# Altium PCB Hall Board.PcbDoc (part 2 of 4) (continued)
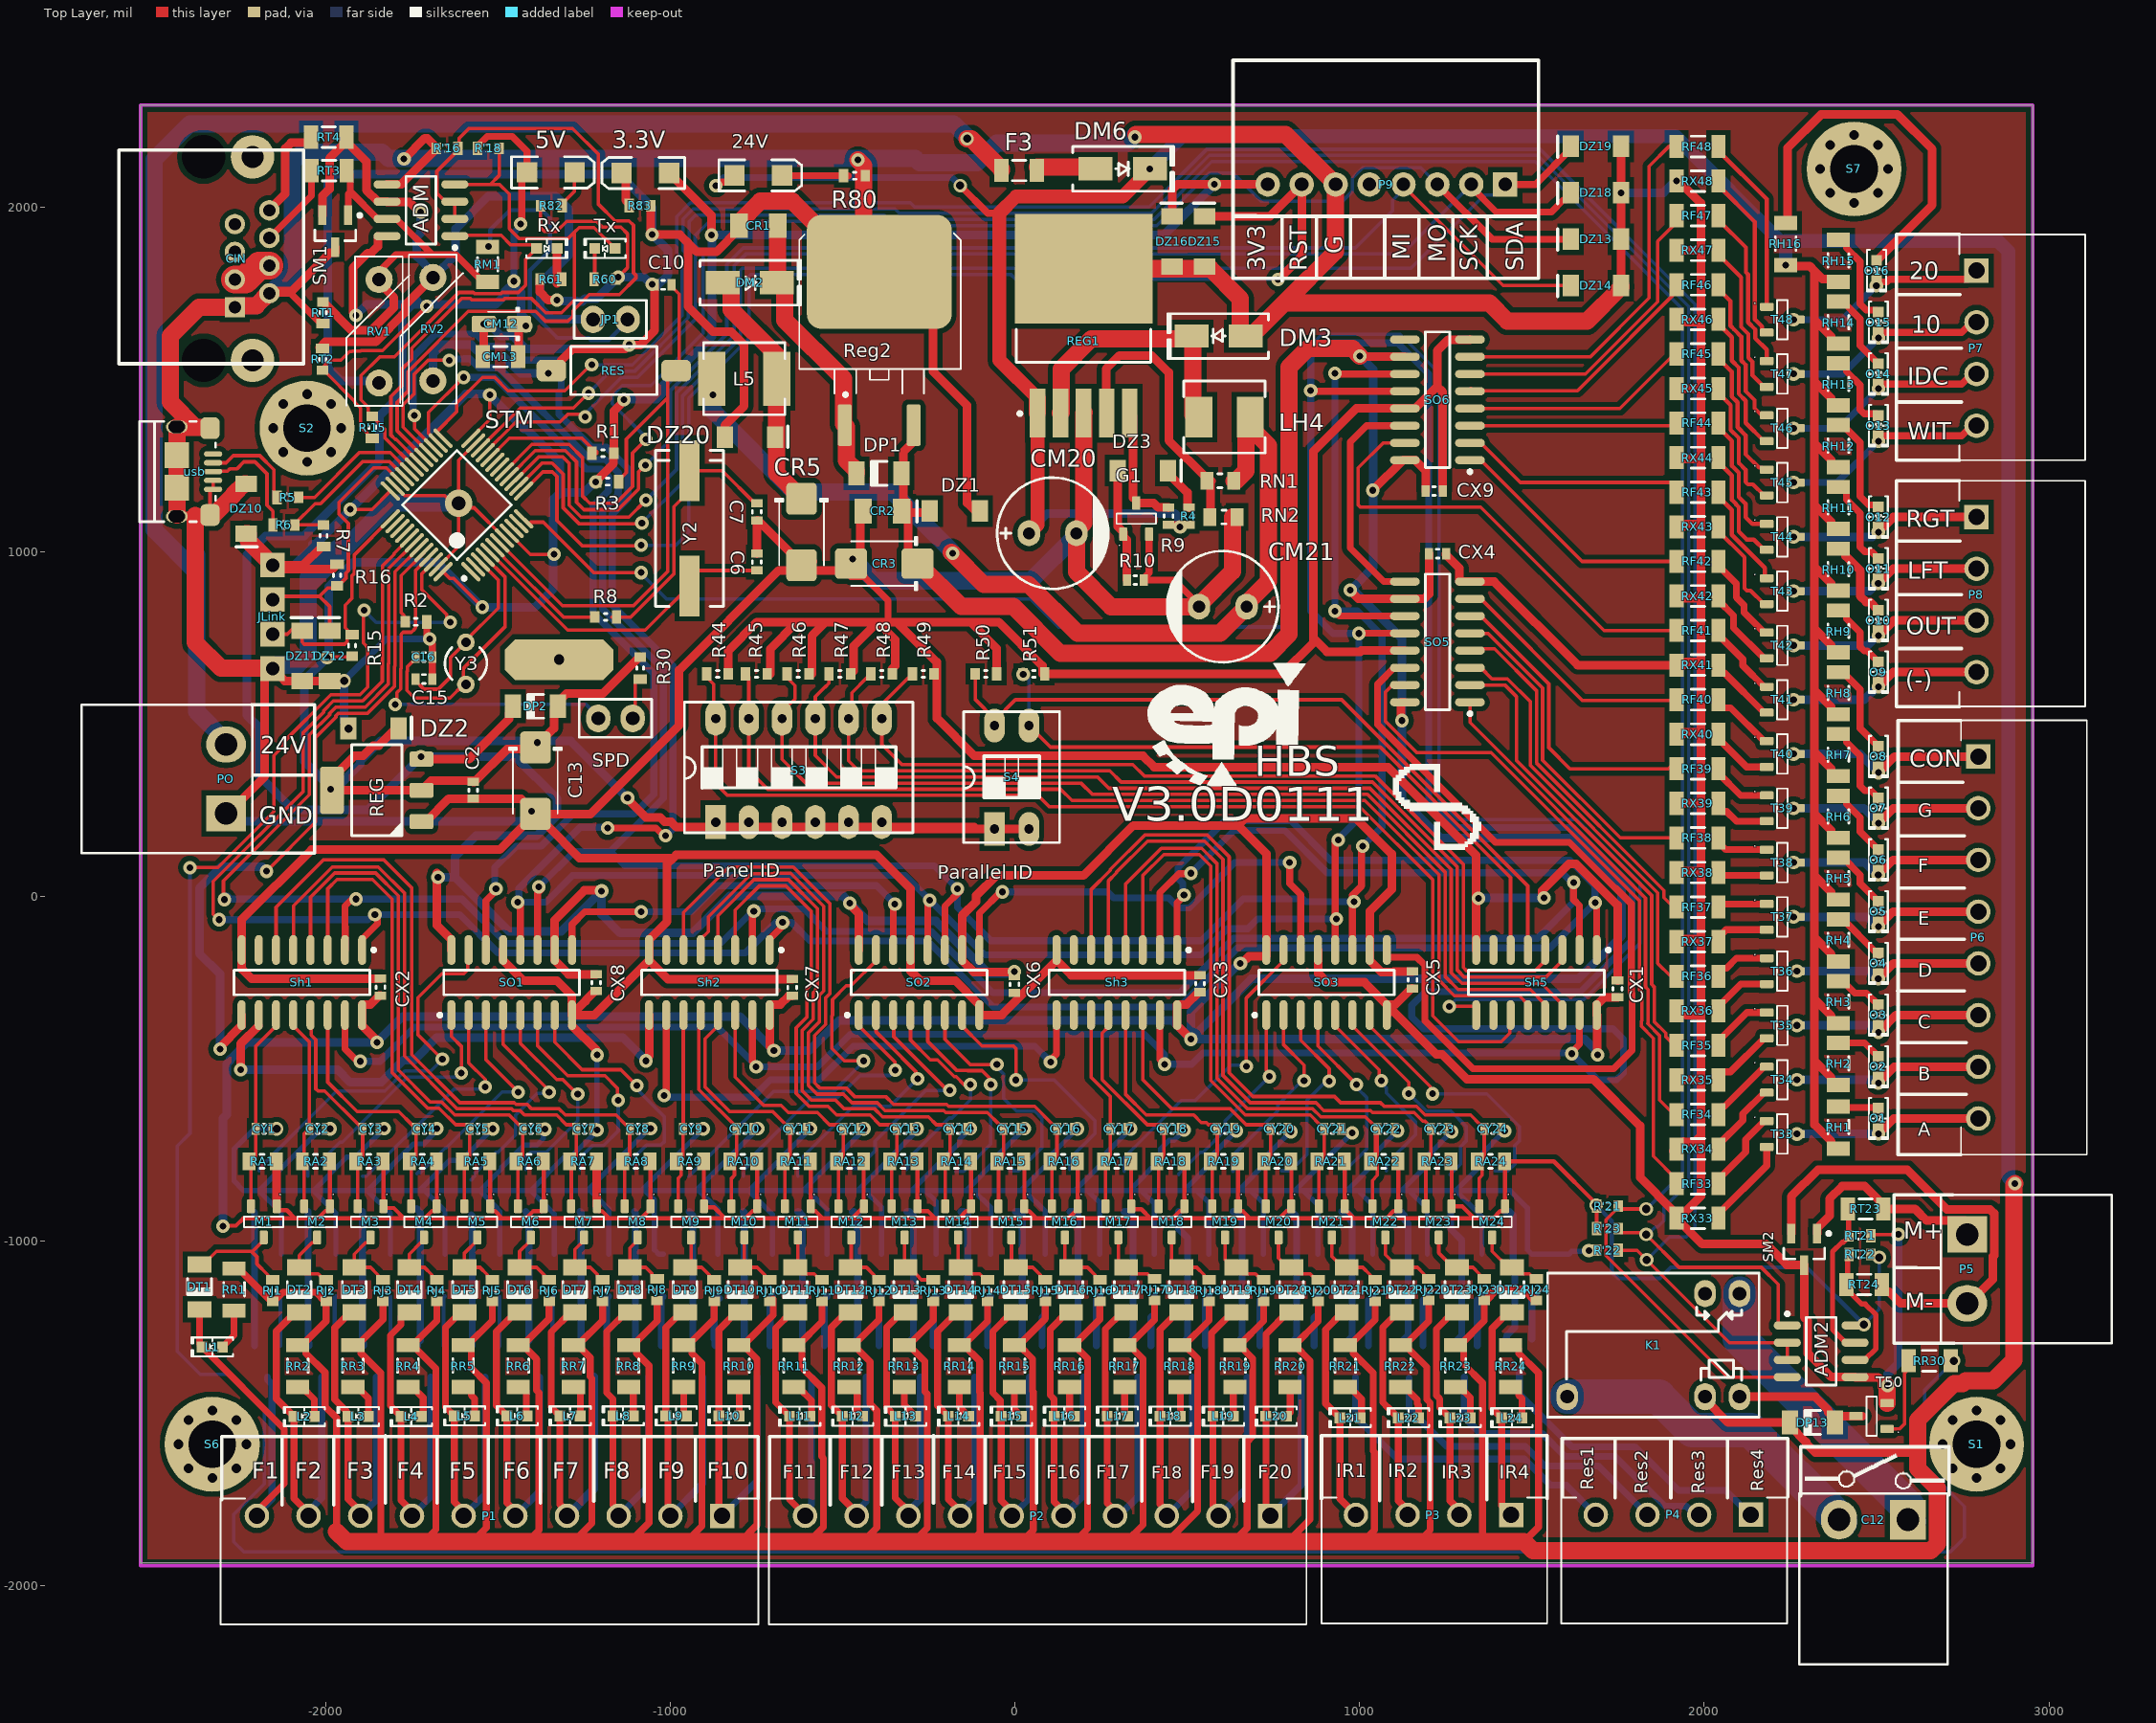
[diagram p0: Top Layer view]
## Nets (pads, with @x,y where several pads share a name; then routed paths per layer and width w, separated by ;. In a path a pad name is that pad's centre, name@x,y a point inside that pad or via, vN(x,y) a via of type N, cw(c..) or ccw(c..) an arc to the next point about the centre after c; other vN are vias at no path point) (continued)
ClockPin: Sh1.2 Sh2.2 Sh3.2 Sh5.2 STM.42 | length 7633.9
  Top Layer w10: v1@-2297.6,-7.1 -2297.6,44.61 -2048.08,294.13 -2048.08,467.52 -1989.32,526.28 -1989.32,530.76 -1971.31,548.77 -1886.37,548.77 -1818.85,616.29 -1818.85,674.28 -1817.7,675.42 -1817.7,951.22 STM.42@-1743.88,1025.04
  Top Layer w20: -1944.31,-88.51 -1944.31,-155.33 Sh1.2@-1945,-156.02 -1945,-28.9 v1@-1921.1,-5 ; Sh2.2@-762.5,-156.02 v1@-762.5,-38.81 ; Sh3.2@420,-156.02 420,10 475,65 v1@504.23,65 ; v1(1620.5,40.06) 1620.5,-9.62 1637.74,-26.87 Sh5.2@1637.74,-156.02
  Bottom Layer w20: v1@-2286.12,0 -2277.79,-8.34 v1(-1913.12,-8.34) -1605.6,-8.34 -1476.81,-137.13 -854.7,-137.13 -754.73,-37.16 -612.84,-37.16 -547.87,-102.13 -243.13,-102.13 -65,-280.26 477.45,-280.26 578.63,-179.08 578.63,-177.41 633.91,-122.13 1515.81,-122.13 1620.5,-17.43 v1(1620.5,40.06) v1@1615.86,40.06 ; v1(510.34,66.66) 634.8,191.13 781.91,191.13 905.16,67.87 1587.45,67.87 1615.26,40.06 v1@1615.86,40.06 ; v1@1618.18,37.74 v1@1615.86,40.06
  other v1: -758.41,-43.34 -2294.93,-9.77
Control: RR30.2 STM.46 | length 9382.7
  Top Layer w10: v1(-2395,82.95) -2313.95,82.95 -2151.31,245.6 -2151.31,408.53 -2122.84,437 -2122.84,447.8 -1986.11,584.52 -1901.17,584.52 -1879.12,606.57 -1879.12,721.41 -1891.88,734.17 -1891.88,826.41 v1(-1889.12,829.17) ; STM.46@-1688.21,969.85 STM.46@-1688.21,969.36 -1688.21,968.87 -1722.58,934.5 -1722.58,889.58 -1650,817 v1@-1650,786 ; RR30.2@2715.05,-1348 v2(2723.83,-1348)
  Bottom Layer w10: v1(-2395,82.95) -2395,-688 -2432,-725 -2432,-1321 -2365.34,-1387.66 -2279.66,-1387.66 -2179.33,-1487.98 -2179.33,-1705.33 -2267.49,-1793.49 -2267.49,-1873.51 -2239,-1902 2713.73,-1902 2737.16,-1878.57 2737.28,-1878.57 2755,-1860.85 2755,-1770.2 2639.33,-1654.53 2639.33,-1432.5 v2(2723.83,-1348) ; v1@-1883.5,834.79 v1(-1889.12,829.17) -1854.47,794.51 v1(-1639.51,794.51)
CS485_Comm: ADM.2 ADM.3 R'16.2 STM.29 | length 2274.1
  Top Layer w10: STM.29@-1716.04,1272.8 -1793.71,1350.47 -1793.71,1433.36 -1761.67,1465.4 -1761.67,1522.21 -1587.39,1696.5 -1391.39,1696.5 -1363.2,1668.3 -1298.54,1668.3 -1283.6,1683.25 -1283.6,1698.19 -1236.3,1745.49 -1148.57,1745.49 -1100.7,1793.36 -1100.7,1801.64 -1107.64,1808.58 -1107.64,1946.46 -1120.44,1959.26 -1161.5,1959.26 -1209.2,2006.97 -1209.2,2152.08 -1284.61,2227.48 -1585.4,2227.48 -1614.06,2198.83 -1614.06,2172.95 R'16.2@-1617.01,2170 -1617.01,2164.09 -1678.28,2102.82 -1678.28,2039.68 -1653.6,2015 ADM.3@-1626.04,2015 ADM.2@-1626.04,1965
D24: R44.2 S3.12 Sh5.11 | length 3258.5
  Top Layer w10: R44.2@-890.26,636.03 -890.26,630 -875.33,615.07 -875.33,520.96 S3.12@-869.37,515 -869.37,326.77 -835,292.4 65.99,292.4 98.87,259.53 999.86,259.53 1211.79,47.6 1211.79,-346.87 1286.77,-421.85 1410.45,-421.85 1435.14,-397.16 1435.14,-347.61 Sh5.11@1437.74,-345 Sh5.11@1437.74,-313.5
D25: R45.2 S3.11 Sh5.12 | length 3036.7
  Top Layer w10: R45.2@-782.45,645 -772.91,635.46 S3.11@-772.91,515 -772.91,365.12 -718.07,310.28 131.93,310.28 164.81,277.4 1014.81,277.4 1229.67,62.55 1229.67,-244 1274.49,-288.82 1463.06,-288.82 1487.74,-313.5 Sh5.12@1487.74,-345
D26: R46.2 S3.10 Sh5.13 | length 2973.5
  Top Layer w10: R46.2@-658.45,630 -639.27,610.82 -639.27,571.87 -676.46,534.68 S3.10@-676.46,515 -676.46,397.05 -607.56,328.15 190.89,328.15 223.77,295.28 1022.22,295.28 1247.54,69.95 1247.54,-232.54 1285.94,-270.95 1495.18,-270.95 1537.74,-313.5 Sh5.13@1537.74,-345
D27: R47.2 S3.9 Sh5.14 | length 2927.6
  Top Layer w10: R47.2@-540.43,645 -540.43,617.91 -552.11,606.24 -552.97,606.24 -580,579.21 S3.9@-580,515 -580,407.76 -518.27,346.03 239.24,346.03 272.11,313.15 1029.62,313.15 1265.42,77.36 1265.42,-222.13 1296.36,-253.07 1527.31,-253.07 1587.74,-313.5 Sh5.14@1587.74,-345
D28: R48.2 S3.8 Sh5.3 | length 2823.7
  Top Layer w10: R48.2@-428.89,635.54 -474.16,590.27 -474.16,524.39 S3.8@-483.54,515 -483.54,392.46 -454.98,363.9 274.58,363.9 307.46,331.03 1037.02,331.03 1283.29,84.76 1283.29,-214.72 1303.76,-235.2 1540.07,-235.2 1587.74,-187.52 Sh5.3@1587.74,-156.02
D29: R49.2 S3.7 Sh5.4 | length 2643.6
  Top Layer w10: R49.2@-307.88,635.54 -387.09,556.33 S3.7@-387.09,515 -387.09,440.29 -328.57,381.77 341.49,381.77 374.36,348.9 1044.43,348.9 1301.16,92.16 1301.16,-207.32 1310,-216.16 1509.11,-216.16 1537.74,-187.52 Sh5.4@1537.74,-156.02
D30: R50.1 S4.4 Sh5.5 | length 2142.3
  Top Layer w10: R50.1@-115,632.13 -115,569.68 -60,514.68 S4.4@-60,509.36 ; S4.4@-60,495 S4.4@-60,509.36 ; Sh5.5@1487.74,-156.02 1487.74,29.75 947.49,570 0.64,570 S4.4@-60,509.36
D31: R51.1 S4.3 Sh5.6 | length 1950.5
  Top Layer w10: S4.3@40,495 40,488.59 62.66,465.93 69.07,465.93 102.48,432.52 1059.69,432.52 1437.74,54.47 Sh5.6@1437.74,-156.02
  Bottom Layer w10: v1@25.51,645 40,630.51 S4.3@40,495
  other v1: 23.34,643.56
"Data Pin2": SO1.14 STM.26 | length 2599.1
  Top Layer w10: STM.26@-1674.29,1314.56 -1674.29,1315.05 -1702.46,1343.22 -1702.46,1403.45 v1(-1600.7,1505.21)
  Top Layer w20: SO1.14@-1536.23,-156.02 -1536.23,-13.26 -1506.9,16.07 v1(-1506.9,21.31)
  Bottom Layer w20: v1(-1600.7,1505.21) -1600.5,1505 -1510.12,1505 -1244.35,1239.22 -1201.37,1239.22 -1179.36,1217.22 -1179.36,1186.1 -1180.42,1185.05 -1180.42,1175.91 -1225,1131.33 -1225,821.81 -1048.75,645.56 -1048.75,295.67 -1105.88,238.54 -1282.52,238.54 -1376.44,144.63 -1448.36,144.63 -1510.04,82.95 v1@-1510.04,21.31
DataPin: Sh5.9 STM.12 | length 6446.2
  Top Layer w10: STM.12@-1426.52,1094.63 -1411.53,1079.65 -1410.35,1079.65 -1405,1085 -1369.07,1085 -1222.85,938.78 v1(-1085,938.78) ; v1(1259.64,-320.01) 1331.45,-320.01 1337.74,-326.31 Sh5.9@1337.74,-345
  Bottom Layer w10: v1@-1085,935 -1012.78,862.78 44,862.78 125.78,781 791,781 807,797 807,1547.18 889.82,1630 1117.41,1630 1229.67,1517.74 1229.67,279 1286.52,222.15 1629.25,222.15 1813.25,38.15 1813.25,-136.78 1650.03,-300 1278.87,-300 v1@1263.87,-315
DataPin2: Sh1.9 STM.43 | length 2003.3
  Top Layer w10: v1(-2172.88,72.32) -2030.21,214.99 -2030.21,460.11 -1971.44,518.88 -1971.44,523.35 -1963.9,530.9 -1878.96,530.9 -1800.97,608.89 -1800.97,666.87 -1799.82,668.02 -1799.82,941.26 STM.43@-1729.96,1011.12
  Top Layer w25: v1@-2310,-440.12 -2245,-375.12 Sh1.9@-2245,-345
  Bottom Layer w25: v1@-2307.32,-440.12 -2307.32,-225.9 -2367.13,-166.09 -2367.13,22.87 -2305,85 -2185.55,85 v1@-2175.55,75
  other v1: -2307.67,-443.46
GND: ADM2.5 ADM.5 C2.1 C6.2 C7.2 C10.2 C13.2 C15.1 C16.1 CIN.1 CIN.2 CM12.2 CM13.2 CM20.2 CM21.2 CR1.2 CR2.2 CR3.2 CR5.2 CX1.1 CX2.1 CX3.1 CX4.1 CX5.1 CX6.1 CX7.1 CX8.1 CX9.1 CY1.1 CY2.1 CY3.1 CY4.1 CY5.1 CY6.1 CY7.1 CY8.1 CY9.1 CY10.1 CY11.1 CY12.1 CY13.1 CY14.1 CY15.1 CY16.1 CY17.1 CY18.1 CY19.1 CY20.1 CY21.1 CY22.1 CY23.1 CY24.1 DM3.1 DZ1.1 DZ2.1 DZ10.1 DZ11.1 DZ12.1 DZ13.1 DZ14.1 DZ15.1 DZ16.1 DZ18.1 DZ19.1 DZ20.1 G1.2 JLink.1 P9.6 PO.1 R2.2 R10.1 R44.1 R45.1 R46.1 R47.1 R48.1 R49.1 R50.2 R51.2 R60.1 R61.1 R80.1 R82.1 R83.1 R'16.1 R'22.1 REG1.3 REG1.6 Reg2.4 REG.1 RES.1 RN2.2 RT1.2 RT21.2 RV1.1 RV2.1 RX1.2 RX2.2 RX3.2 RX4.2 RX5.2 RX6.2 RX7.2 RX8.2 RX9.2 RX10.2 RX11.2 RX12.2 RX13.2 RX14.2 RX15.2 RX16.2 RX17.2 RX18.2 RX19.2 RX20.2 RX21.2 RX22.2 RX23.2 RX24.2 RX33.2 RX34.2 RX35.2 RX36.2 RX37.2 RX38.2 RX39.2 RX40.2 RX41.2 RX42.2 RX43.2 RX44.2 RX45.2 RX46.2 RX47.2 RX48.2 Sh1.8 Sh2.8 Sh3.8 Sh5.8 SM1.3 SM2.3 SO1.8 SO1.13 SO2.8 SO2.13 SO3.8 SO3.13 SO5.8 SO5.13 SO6.8 SO6.13 STM.8 STM.23 STM.35 STM.47 T50.2 usb.4 usb.5 usb.S | length 61552.9
  Top Layer w10: usb.S@-2336.54,1105.77 -2336.54,1177.92 -2333.89,1180.57 usb.5@-2327.69,1180.57 usb.4@-2327.69,1206.17 ; CY3.1@-1844.71,-674.92 -1843.6,-673.81 v1(-1831.55,-673.81) ; STM.35@-1799.56,1189.29 -1799.07,1189.29 -1771.94,1162.15 -1655.76,1162.15 -1633.6,1140 v3(-1615,1140) ; CY4.1@-1689.71,-674.92 -1688.6,-673.81 v1(-1678.39,-673.81) ; R'16.1@-1680,2167.05 R'16.1@-1680,2170 ; STM.47@-1674.29,955.44 -1615,1014.73 v3(-1615,1140) ; STM.23@-1565.71,1314.56 -1565.71,1314.07 -1615,1264.79 v3(-1615,1140) ; CY5.1@-1534.71,-674.92 v1(-1515.97,-674.92) ; STM.8@-1482.2,1038.96 -1570.09,1126.85 -1601.85,1126.85 v3(-1615,1140) ; CY6.1@-1379.71,-674.92 -1365.93,-674.92 v1(-1364.71,-676.14) ; R82.1@-1377.45,2015 -1377.45,1940.32 -1366.59,1929.46 -1330.1,1929.46 -1301.49,1958.07 -1214.6,1958.07 -1197.92,1941.39 -1144.65,1941.39 -1125.51,1922.25 -1125.51,1822.58 R60.1@-1147.5,1800.59 ; CY7.1@-1224.71,-674.92 -1221.11,-678.52 v1(-1213.75,-678.52) ; CY14.1@-139.71,-674.92 -139.11,-674.32 v1(-130.11,-674.32) ; CY18.1@480.29,-674.92 484.01,-678.64 v1(490.22,-678.64) ; CY21.1@945.29,-674.92 945.29,-679.84 952.1,-686.65 977.83,-686.65 v1(978.36,-687.19) ; v1(1664.88,-1028.22) 1686.69,-1028.22 R'22.1@1687.63,-1027.27 ; RT21.2@2483.02,-985.12 2486.64,-981.5 v1(2563.05,-981.5)
  Top Layer w15: CY10.1@-759.71,-674.92 -759.11,-674.32 v1(-747.08,-674.32)
  Top Layer w20: CIN.2@-2166.9,1748.94 CIN.2@-2164.45,1748.94 -2102.61,1748.94 -2014.58,1660.91 RT1.2@-2008.68,1660.91 ; v1@-1707.46,747.36 R2.2@-1707.46,795.75 ; C15.1@-1691.55,630 C16.1@-1691.55,694.06 v1@-1691.55,731.45 ; CR3.2@-475.07,965 -440.86,930.79 -440.86,929.4 -369.19,857.73 -369.19,795 ; G1.2@388.8,1050 388.8,937.73 372.99,921.92 R10.1@372.99,917 461.58,917 CM21.2@533.58,845
  Top Layer w25: usb.S@-2433,1101.83 usb.S@-2433,1105.77 ; usb.S@-2431.03,1103.8 -2379.21,1103.8 usb.S@-2352.53,1103.8 ; usb.S@-2338.51,1103.8 usb.S@-2336.54,1105.77 ; usb.S@-2336.54,1357.74 usb.S@-2336.54,1361.68 ; PO.1@-2290,240 -2285,240 -2177.87,347.13 -2177.87,637.3 JLink.1@-2155,660.17 ; CIN.1@-2259.92,1713.31 -2248.05,1725.18 -2197.42,1725.18 -2167.15,1755.45 -2100.29,1755.45 -1989.04,1866.7 -1973.69,1866.7 -1973,1867.39 SM1.3@-1973,1882.74 ; DZ10.1@-2232.07,1196.84 DZ10.1@-2224.19,1196.84 ; JLink.1@-2156.31,661.48 JLink.1@-2153.69,661.48 ; JLink.1@-2144.57,649.74 -2119.52,624.7 DZ11.1@-2069.01,624.7 DZ12.1@-1989.51,624.7 ; DZ12.1@-1989.47,624.73 v2(-1947.4,624.76) ; CX2.1@-1842,-239.5 -2216.32,-239.5 -2244.31,-211.52 -2244.31,-156.71 Sh1.8@-2245,-156.02 -2245,-68.08 -2041.92,135 -1495.97,135 -1426.19,204.78 -1424.22,204.78 -1392.43,236.58 -1360.64,204.78 -1358.67,204.78 -1263.88,110 -993.73,110 ; ADM.5@-1822.89,2065 -1822.2,2065.69 -1781.36,2065.69 R'16.1@-1680,2167.05 ; v1(-1773.68,2139) -1713.45,2199.23 -1706.28,2199.23 -1680,2172.95 R'16.1@-1680,2170 ; REG.1@-1723.04,216.65 -1710.25,216.65 -1644.19,282.71 -1434.63,282.71 C13.2@-1401.08,249.16 ; CM13.2@-1545,1565 -1542.17,1567.83 v1(-1542.17,1660) ; CM13.2@-1542.17,1588.87 -1542.17,1601.66 ; SO1.13@-1486.23,-156.02 -1486.23,-186.14 -1427.37,-245 -1330,-245 -1286.92,-288.08 SO1.8@-1286.92,-344.31 ; C13.2@-1390.46,238.54 -1231.95,238.54 -975.49,495.01 -975.49,655.49 -685.97,945 -491.2,945 -475.6,929.4 CR3.2@-440.86,929.4 ; R61.1@-1379.07,1790 -1379.53,1789.54 -1379.53,1753.61 -1354.98,1729.06 v1(-1330,1729.06) ; v1(-1354.57,1517.32) -1343.73,1517.32 -1317.3,1543.75 -1317.3,1554.6 -1284.77,1587.13 -1132.87,1587.13 v1(-1120.5,1599.5) -1088.19,1599.5 -1046.01,1641.68 C10.2@-1046.01,1773.6 ; SO1.8@-1285.54,-375.81 -1215.94,-445.41 -1215.94,-458.18 v1(-1213.19,-460.93) ; CX8.1@-1215.94,-275.5 -1219.48,-275.5 -1246.92,-302.94 -1246.92,-304.65 -1270.35,-328.08 -1285.54,-328.08 -1286.23,-328.77 SO1.8@-1286.23,-345 -1221.36,-345 Sh2.8@-1062.5,-186.14 ; R83.1@-1057.45,2003.44 -1057.45,1927.74 -1053.17,1923.46 v1(-1053.17,1919.57) -973.58,1919.57 -954.01,1900 ; DZ20.1@-842.44,1358.03 -842.44,1365.91 -786.27,1422.08 -786.27,1599.69 -824.27,1637.69 -876.58,1637.69 -950,1711.1 -950,1895.99 -923.17,1869.17 -867.09,1869.17 -801.1,1935.16 CR1.2@-801.1,1945 ; R44.1@-832.3,645 -832.3,712.7 -750,795 -632.92,795 ; C6.2@-750,993.85 C7.2@-750,1090.5 -746.46,1090.5 -627.3,971.34 CR5.2@-586.81,971.34 ; R45.1@-711.29,645 -711.14,645.16 -711.14,716.78 -632.92,795 ; CX7.1@-646.94,-240.5 -1008.14,-240.5 Sh2.8@-1062.5,-186.14 ; R46.1@-590.28,645 -590.28,754.72 -550,795 ; Reg2.4@-511.01,1869.17 Reg2.4@-446.84,1805 ; R47.1@-477.44,645 -469.27,653.17 -469.27,725 -399.27,795 ; CR3.2@-476.46,965 -449.19,992.26 CR2.2@-449.19,1108.96 ; CR2.2@-449.19,1139.41 CR2.2@-449.19,1108.96 ; CR2.2@-441.1,1117.05 CR2.2@-449.19,1108.96 ; Reg2.4@-394.47,1811.37 -388.53,1811.37 -238.22,1661.05 -238.22,1522.45 -139.63,1423.86 -139.63,1141.2 DZ1.1@-107.16,1108.74 ; -369.19,795 -399.27,795 ; -359.19,795 -130,795 ; R48.1@-356.44,660 -348.27,668.17 -348.27,743.99 -399.27,795 ; -340,791.11 -227.95,679.06 -227.95,645.69 -227.26,645 -227.26,515.85 -118.56,407.15 370.71,407.15 403.58,374.27 1082.06,374.27 1337.74,118.59 Sh5.8@1337.74,-156.02 ; R50.2@-53.14,645 -53.14,718.14 -130,795 ; CX3.1@536.6,-229.5 163.36,-229.5 120,-186.14 -38.86,-345 SO2.8@-103.73,-345 -103.73,-314.88 -173.61,-245 -275.44,-245 -303.04,-217.4 -303.04,-156.71 SO2.13@-303.73,-156.02 -303.73,21.73 -402,120 -983.73,120 -993.73,110 ; SO3.13@878.77,-156.02 879.46,-156.71 879.46,-224.09 905.37,-250 1013.89,-250 SO3.8@1078.77,-314.88 ; SO3.8@1078.77,-345 SO3.8@1078.77,-314.88 ; SO5.13@1131.02,712.78 1004.68,712.78 1001.23,709.33 905,709.33 865,749.33 ; CX5.1@1153.5,-267.5 1149.95,-267.5 1103.26,-314.19 1079.46,-314.19 SO3.8@1078.77,-314.88 ; CX9.1@1240.5,1175.47 1240.5,1463.36 1225,1478.86 ; CX4.1@1250.5,994 1250.5,990.46 1289.19,951.76 1289.19,913.47 1289.88,912.78 SO5.8@1320,912.78 1390.37,912.78 1632.73,670.43 RX41.2@1919.06,670.43 1938.9,670.43 1938.9,671.83 1947.07,680 1990,680 ; SO6.8@1320,1615 1319.31,1614.31 1257.11,1614.31 1225,1582.21 1225,1478.86 ; v1@1529,0 1529,15.77 1607.09,93.87 1627.81,93.87 1748,-26.33 CX1.1@1748,-244.5 ; DZ14.1@1757.84,1771.44 DZ13.1@1757.84,1906.13 v1(1757.84,2040.81) DZ19.1@1757.84,2175.49 ; RX34.2@1910.28,-740 RX34.2@1938.9,-711.38 ; RX48.2@1923.6,2077.2 1990,2010.8 1990,1874.09 ; RX35.2@1938.9,-533.23 1990,-533.23 ; RX36.2@1938.9,-332.62 1938.9,-336.83 1947.07,-345 1990,-345 ; RX37.2@1938.9,-132.01 1945.91,-125 1990,-125 ; RX38.2@1938.9,68.6 1942.62,72.32 1990,72.32 ; RX39.2@1938.9,269.21 1939.69,270 1990,270 ; RX40.2@1938.9,469.82 1944.08,475 1990,475 ; RX42.2@1938.9,871.04 1944.94,865 1990,865 ; RX43.2@1938.9,1071.65 1938.9,1071.83 1947.07,1080 1990,1080 ; RX44.2@1938.9,1272.26 1942.25,1268.9 1990,1268.9 ; RX45.2@1938.9,1472.87 1990,1472.87 ; RX46.2@1938.9,1673.48 1938.9,1673.17 1947.07,1665 1990,1665 ; RX47.2@1938.9,1874.09 1990,1874.09 ; 1947.07,-712.87 1973.56,-712.87 1990,-696.44 ; v1@2528.07,-1419.96 2504.15,-1396.03 2438.35,-1396.03 ADM2.5@2437.66,-1395.34 2369.34,-1395.34 2300.55,-1326.55 2300.55,-1232.01 2290,-1221.46 SM2.3@2290,-1071.26 2290,-1070.11 2289.31,-1069.42 2239.31,-1069.42 2179.44,-1009.55 1994.16,-1009.55 1940.02,-955.41 1927.22,-955.41 1919.06,-947.24 RX33.2@1919.06,-934.45 1919.06,-921.65 RX33.2@1912.17,-914.76 ; Sh2.8@-1062.5,-186.14 Sh2.8@-1062.5,-156.02 -1062.5,-125.91 -1010,-73.41 -1010,93.73 -993.73,110 ; -632.92,795 -550,795 ; -550,795 -399.27,795 ; -130,795 -47.66,795 79.31,668.03 79.31,645.69 80,645 R51.2@85.83,645 775,645 865,735 865,749.33 ; 865,749.33 865,1290 990,1415 1161.14,1415 1225,1478.86 ; SO3.8@1078.77,-314.88 1222.21,-458.32 1238.61,-458.32 1310.97,-530.68 1677.85,-530.68 1813.25,-666.08 1813.25,-815.85 RX33.2@1912.17,-914.76 ; RX33.2@1912.17,-914.76 1932.01,-914.76 1938.9,-921.65 1990,-870.55 1990,-696.44 ; 1990,-696.44 1990,-533.23 ; 1990,-533.23 1990,-345 ; 1990,-345 1990,-125 ; 1990,-125 1990,72.32 ; 1990,72.32 1990,270 ; 1990,270 1990,475 ; 1990,475 1990,680 ; 1990,680 1990,865 ; 1990,865 1990,1080 ; 1990,1080 1990,1268.9 ; 1990,1268.9 1990,1472.87 ; 1990,1472.87 1990,1665 ; 1990,1665 1990,1874.09
  Top Layer w50: usb.S@-2433,1105.77 usb.S@-2433,1184.51 usb.S@-2433,1279 usb.S@-2433,1361.68 -2431.03,1359.71 -2338.51,1359.71 usb.S@-2336.54,1357.74 usb.S@-2336.54,1361.68 ; -2379.5,1100.16 -2379.5,735.98 -2305,661.48 JLink.1@-2156.31,661.48 ; -2379.5,1104.09 -2379.21,1103.8 -2377.53,1102.13 ; -2379.5,1360 -2379.5,1360.79 -2452,1433.29 -2452,1625.76 -2368.98,1708.78 CIN.1@-2264.45,1708.78 -2259.92,1713.31 -2202.53,1713.31 CIN.2@-2166.9,1748.94 ; usb.S@-2352.53,1103.8 -2338.51,1103.8 -2328.13,1103.8 -2268.24,1163.7 -2268.24,1165.79 -2237.19,1196.84 DZ10.1@-2232.07,1196.84 ; JLink.1@-2155,660.17 JLink.1@-2153.69,661.48 ; CR1.2@-801.1,1945 -801.1,1954.84 -739.7,2016.24 -646.49,2016.24 -441.62,1811.37 Reg2.4@-394.47,1811.37 -439.09,1855.99 -439.09,2119.09 v1(-456,2136) ; REG1.6@198.55,1820.35 566.61,1820.35 653.5,1733.46 653.5,1633.46 661.97,1625 DM3.1@669.05,1625 684.79,1625 780.67,1720.87 ; REG1.3@200.91,1403.42 REG1.3@198.55,1401.06 198.55,1082.69 177.8,1061.93 CM20.2@177.8,1052.88 177.8,940.2 278,840 CM21.2@533.58,840 533.58,845 630.3,941.71 RN2.2@630.3,1100.16 ; v1@350,2210 785,2210 P9.6@930,2065 930,1870.21 780.67,1720.87 ; DZ14.1@1757.84,1771.44 1757.84,1766.33 1659.86,1668.35 1428.57,1668.35 1376.04,1720.87 780.67,1720.87 ; v1@2528.07,-1419.96 2530.62,-1422.51 T50.2@2530.62,-1471.16
  Bottom Layer w15: v2(-2143.39,-674.92) -2144.5,-673.81 -2207.6,-673.81 -2267.13,-733.34 -2267.13,-825.83 -2238.82,-854.13 -2194.32,-854.13 ; RX1.2@-2129.77,-1039.06 -2129.77,-918.69 -2194.32,-854.13 ; v1(-1988.39,-674.92) -1994.99,-674.92 -2004.42,-684.35 -2024.54,-684.35 -2194.32,-854.13 ; RX2.2@-1971.4,-1039.06 -1971.4,-919.82 -2037.09,-854.13 ; v1(-1831.55,-673.81) -1914.65,-756.91 -1939.86,-756.91 -2037.09,-854.13 ; RX3.2@-1813.03,-1039.06 -1813.03,-920.29 -1879.18,-854.13 ; v1(-1678.39,-673.81) -1678.39,-680.41 -1704.27,-706.28 -1704.27,-707.33 -1715.71,-718.77 -1745.94,-718.77 -1812.72,-785.55 -1812.72,-787.35 -1879.5,-854.13 ; RX4.2@-1654.65,-1039.06 -1654.65,-912.81 -1713.33,-854.13 ; v1(-1515.97,-674.92) -1607.88,-766.83 -1642.24,-766.83 -1729.55,-854.13 ; RX5.2@-1496.28,-1039.06 -1496.28,-914.94 -1503.71,-907.52 -1503.71,-904.2 -1553.77,-854.13 ; v1(-1364.71,-676.14) -1369.37,-680.81 -1369.37,-703.15 -1388.67,-722.45 -1425.86,-722.45 -1489.81,-786.41 -1489.81,-790.18 -1553.77,-854.13 ; RX6.2@-1337.91,-1039.06 -1337.91,-921.69 -1405.47,-854.13 ; v1(-1213.19,-460.93) -1213.47,-461.21 -1213.47,-678.23 v1(-1213.75,-678.52) -1213.75,-681.31 -1289.35,-756.91 -1308.56,-756.91 -1405.79,-854.13 ; RX7.2@-1179.54,-1039.06 -1179.54,-907.17 -1232.58,-854.13 ; -1079.43,-849.38 v1(-904.96,-674.92) ; v1(-1058.39,-674.32) -1061.92,-674.32 -1237.16,-849.56 ; RX8.2@-1021.17,-1039.06 -1033.97,-1039.06 -1047.14,-1025.89 -1047.14,-881.67 -1074.68,-854.13 ; RX9.2@-862.8,-1039.06 -862.8,-908.11 -916.77,-854.13 ; v1(-747.08,-674.32) -921.83,-849.07 -916.77,-854.13 ; RX10.2@-704.43,-1039.06 -704.43,-923.23 -773.52,-854.13 ; v1(-593.71,-674.32) -773.52,-854.13 ; RX11.2@-546.06,-1039.06 -546.06,-909.04 -600.97,-854.13 ; v1(-438.99,-674.92) -438.99,-676.85 -616.27,-854.13 ; RX12.2@-387.69,-1039.06 -387.69,-902.11 -435.66,-854.13 ; v1(-284.59,-674.92) -284.59,-680.36 -458.37,-854.13 ; RX13.2@-229.32,-1039.06 -229.32,-885.97 -261.15,-854.13 ; v1(-130.11,-674.32) -160.51,-704.72 -160.51,-714.18 -300.47,-854.13 ; RX14.2@-70.95,-1039.06 -70.95,-903.04 -119.86,-854.13 ; v1(26.61,-674.32) -47.74,-748.67 -47.74,-759.31 -142.56,-854.13 ; RX15.2@87.42,-1039.06 87.42,-914.95 26.61,-854.13 ; v1(180.22,-674.92) 108.02,-747.13 108.02,-761.45 15.34,-854.13 ; RX16.2@245.79,-1039.06 245.79,-890.05 209.88,-854.13 ; v1(335.22,-674.92) 264.47,-745.67 264.47,-762.91 173.24,-854.13 ; RX17.2@404.16,-1039.06 404.16,-892.4 365.9,-854.13 ; v1(490.22,-678.64) 490.07,-678.64 460.32,-708.39 446.82,-708.39 421.74,-733.48 421.74,-763.54 331.15,-854.13 ; RX18.2@562.53,-1039.06 562.53,-890.05 526.62,-854.13 ; v1(642,-681.21) 575.76,-747.45 575.76,-767.42 489.05,-854.13 ; RX19.2@720.9,-1039.06 720.9,-891.54 683.5,-854.13 ; v1(800.22,-683.15) 733.82,-749.55 733.82,-767.26 646.95,-854.13 ; RX20.2@879.27,-1039.06 879.27,-896.96 836.45,-854.13 ; v1(978.36,-687.19) 977.96,-687.19 811.01,-854.13 ; RX21.2@1037.65,-1039.06 1037.65,-896.37 995.41,-854.13 ; v1(1110.19,-680.47) 1046.71,-743.95 1046.71,-770.18 962.76,-854.13 ; RX22.2@1196.02,-1039.06 1196.02,-906.78 1143.37,-854.13 ; v1(1266.61,-683.15) 1203.87,-745.89 1203.87,-770.92 1120.66,-854.13 ; RX23.2@1354.39,-1039.06 1354.39,-929.64 1278.88,-854.13 ; v1(1420.22,-681.21) 1347.06,-754.37 1347.06,-785.64 1278.57,-854.13 ; v1(1664.88,-1028.22) 1662.78,-1030.32 1615.2,-1030.32 1606.46,-1039.06 RX24.2@1512.76,-1039.06 1499.96,-1039.06 1486.79,-1025.89 1486.79,-904.14 1436.78,-854.13 1278.88,-854.13 ; -2194.32,-854.13 -2037.09,-854.13 ; -2037.09,-854.13 -1879.5,-854.13 ; -1879.5,-854.13 -1879.18,-854.13 ; -1879.18,-854.13 -1729.55,-854.13 ; -1729.55,-854.13 -1713.33,-854.13 ; -1713.33,-854.13 -1553.77,-854.13 ; -1553.77,-854.13 -1405.79,-854.13 ; -1405.79,-854.13 -1405.47,-854.13 ; -1405.47,-854.13 -1241.73,-854.13 -1237.16,-849.56 ; -1237.16,-849.56 -1232.58,-854.13 ; -1232.58,-854.13 -1074.68,-854.13 ; -1074.68,-854.13 -916.77,-854.13 ; -916.77,-854.13 -773.52,-854.13 ; -773.52,-854.13 -616.27,-854.13 ; -616.27,-854.13 -600.97,-854.13 ; -600.97,-854.13 -458.37,-854.13 ; -458.37,-854.13 -435.66,-854.13 ; -435.66,-854.13 -300.47,-854.13 ; -300.47,-854.13 -261.15,-854.13 ; -261.15,-854.13 -142.56,-854.13 ; -142.56,-854.13 -119.86,-854.13 ; -119.86,-854.13 15.34,-854.13 ; 15.34,-854.13 26.61,-854.13 ; 26.61,-854.13 173.24,-854.13 ; 173.24,-854.13 209.88,-854.13 ; 209.88,-854.13 331.15,-854.13 ; 331.15,-854.13 365.9,-854.13 ; 365.9,-854.13 489.05,-854.13 ; 489.05,-854.13 526.62,-854.13 ; 526.62,-854.13 646.95,-854.13 ; 646.95,-854.13 683.5,-854.13 ; 683.5,-854.13 811.01,-854.13 ; 811.01,-854.13 836.45,-854.13 ; 836.45,-854.13 962.76,-854.13 ; 962.76,-854.13 995.41,-854.13 ; 995.41,-854.13 1120.66,-854.13 ; 1120.66,-854.13 1143.37,-854.13 ; 1143.37,-854.13 1278.57,-854.13 ; 1278.57,-854.13 1278.88,-854.13
  Bottom Layer w20: v2(-1947.4,624.76) -1825.64,746.51 v1(-1699.51,746.51)
  Bottom Layer w25: PO.1@-2290,240 -2267.13,217.13 -1434.79,217.13 v1@-1401.92,250 ; -1973.27,1018.86 -1965.19,1018.86 ; v2(-1947.4,624.76) -1947.4,502.86 -1934.95,490.41 v2(-1934.95,486.53) ; RV1.1@-1861.66,1495 -1957,1495 -1994.63,1532.63 -1994.63,2072.21 -1972.21,2094.63 -1150.33,2094.63 -1053.17,1997.47 v1(-1053.17,1919.57) -1007.43,1873.83 -1007.43,1802.68 v1@-1041.16,1768.95 ; RV2.1@-1689.71,1495.02 -1689.71,1573.25 -1662.77,1600.19 -1578.42,1600.19 -1543.4,1565.16 -1483.69,1565.16 -1435.86,1517.32 v1(-1354.57,1517.32) ; v3@-1645,1140 v3(-1615,1140) ; v1@-1530,1662.34 -1493.57,1625.91 -1458.53,1625.91 -1419.75,1587.13 -1132.87,1587.13 v1(-1120.5,1599.5) ; v1(-1330,1729.06) -1327.25,1726.31 -1273.36,1726.31 -1272.06,1725 -1256.79,1725 -1247.94,1733.85 -1214.24,1733.85 v1(-1151.66,1796.43) -1077.88,1796.43 -1057.06,1775.61 v1(-1053.17,1775.61) ; v1(1344.5,-5.89) 1345.1,-5.29 1533.9,-5.29 v1(1534.5,-4.68) ; v1(1757.84,2040.81) 1881.28,2040.81 1915.17,2074.7 v1(1919.06,2074.7) ; v1(2531.96,-1419.96) 2531.96,-1386.45 2563.05,-1355.36 v1(2563.05,-981.5)
  Bottom Layer w50: CIN.1@-2264.45,1708.78 -2259.92,1713.31 -2202.53,1713.31 -2166.9,1748.94 CIN.2@-2164.45,1748.94 -2162,1748.94 -2144.09,1766.85 -2138.6,1766.85 -2097.87,1807.58 -2097.87,2129.13 -2068,2159 -1837.43,2159 -1818.32,2139.89 -1667.13,2139.89 -456,2139.89 -289.38,2139.89 -277.13,2127.64 -110.52,2127.64 -53.15,2185 325,2185 v1@345,2205 ; JLink.1@-2155,660.17 -2144.57,670.61 -2082.72,670.61 -2052,701.32 -2052,902 ; -1965.19,1010.78 -2052,923.97 -2052,902 ; v3@-1645,1140 -1814,1140 -2052,902 ; v1(-471.66,978.12) -408.54,915 44.92,915 177.8,1047.88 CM20.2@177.8,1052.88
  other v1: -1403.58,246.66 347.68,2202.32
LoadPin: Sh1.1 Sh2.1 Sh3.1 Sh5.1 STM.41 | length 7719.4
  Top Layer w10: v1@-2305,-75 -2327.49,-52.51 -2327.49,42.55 -2065.96,304.08 -2065.96,474.92 -2007.19,533.69 -2007.19,538.16 -1978.71,566.64 -1893.77,566.64 -1836.72,623.69 -1836.72,681.68 -1835.57,682.83 -1835.57,958.62 -1802.58,991.61 -1802.58,994.17 STM.41@-1757.8,1038.96
  Top Layer w20: Sh1.1@-1895,-156.02 -1895,-124.53 -1850.43,-79.95 v1@-1850.43,-60 ; Sh2.1@-712.5,-156.02 -712.5,-124.53 -669.63,-81.65 v1@-664.25,-76.28 ; Sh3.1@470,-156.02 470,-19.6 v1@491.57,1.97 ; v1(1683,-19) 1683,-24.24 1687.74,-28.98 Sh5.1@1687.74,-156.02
  Bottom Layer w20: v1(-2310,-68.08) -1878.08,-68.08 -1863.34,-53.34 v1(-1858.1,-53.34) -1611.66,-53.34 -1500,-165 -783.58,-165 -694.86,-76.28 v1(-675,-76.28) -648.98,-76.28 -595.26,-130 -254.68,-130 -63.32,-321.35 475.77,-321.35 606.5,-190.62 606.5,-188.96 645.46,-150 1552.1,-150 1683,-19.1 v1(1683,-19) 1682.99,30.69 1609.46,104.22 915,104.22 800.22,219 609.56,219 472.78,82.22 472.78,51.1 486.29,37.59 486.29,7.25 v1(490,3.54)
M+: P5.1 RT23.1 SM2.1 | length 628.1
  Top Layer w25: SM2.1@2327.4,-978.74 2327.4,-963.39 2363.45,-927.34 2363.45,-877.89 2400.02,-841.31 2465.55,-841.31 2518.96,-894.72 RT23.1@2518.96,-907.52 2611.1,-907.52 2645.07,-941.5 2755,-941.5 P5.1@2795,-981.5
M-: P5.2 RT24.1 SM2.2 | length 1354.7
  Top Layer w25: SM2.2@2252.6,-978.74 2252.6,-871.4 2330,-794 2589,-794 2703.62,-908.62 2828.94,-908.62 2840.87,-920.56 2840.87,-1042.44 2838,-1045.31 2838,-1111.5 2768,-1181.5 P5.2@2763,-1181.5 2569.83,-1181.5 2535.74,-1147.4 2522.94,-1147.4 2514.77,-1139.24 RT24.1@2514.77,-1126.44